# Altium PCB PCB_MotherBoard.PcbDoc (part 2 of 4)
Units mm, origin at the board's own origin, x right, y up, seen from the top; angles counter-clockwise.
Board outline 240 x 180 mm, 6 copper layers (Top Layer, Int1 (GND), Int2 (Sign), Int3 (Sign), Int4 (PWR), Bottom Layer), stack 1.481 mm thick; 214 components, 253 nets, 1237 pads, 870 vias.
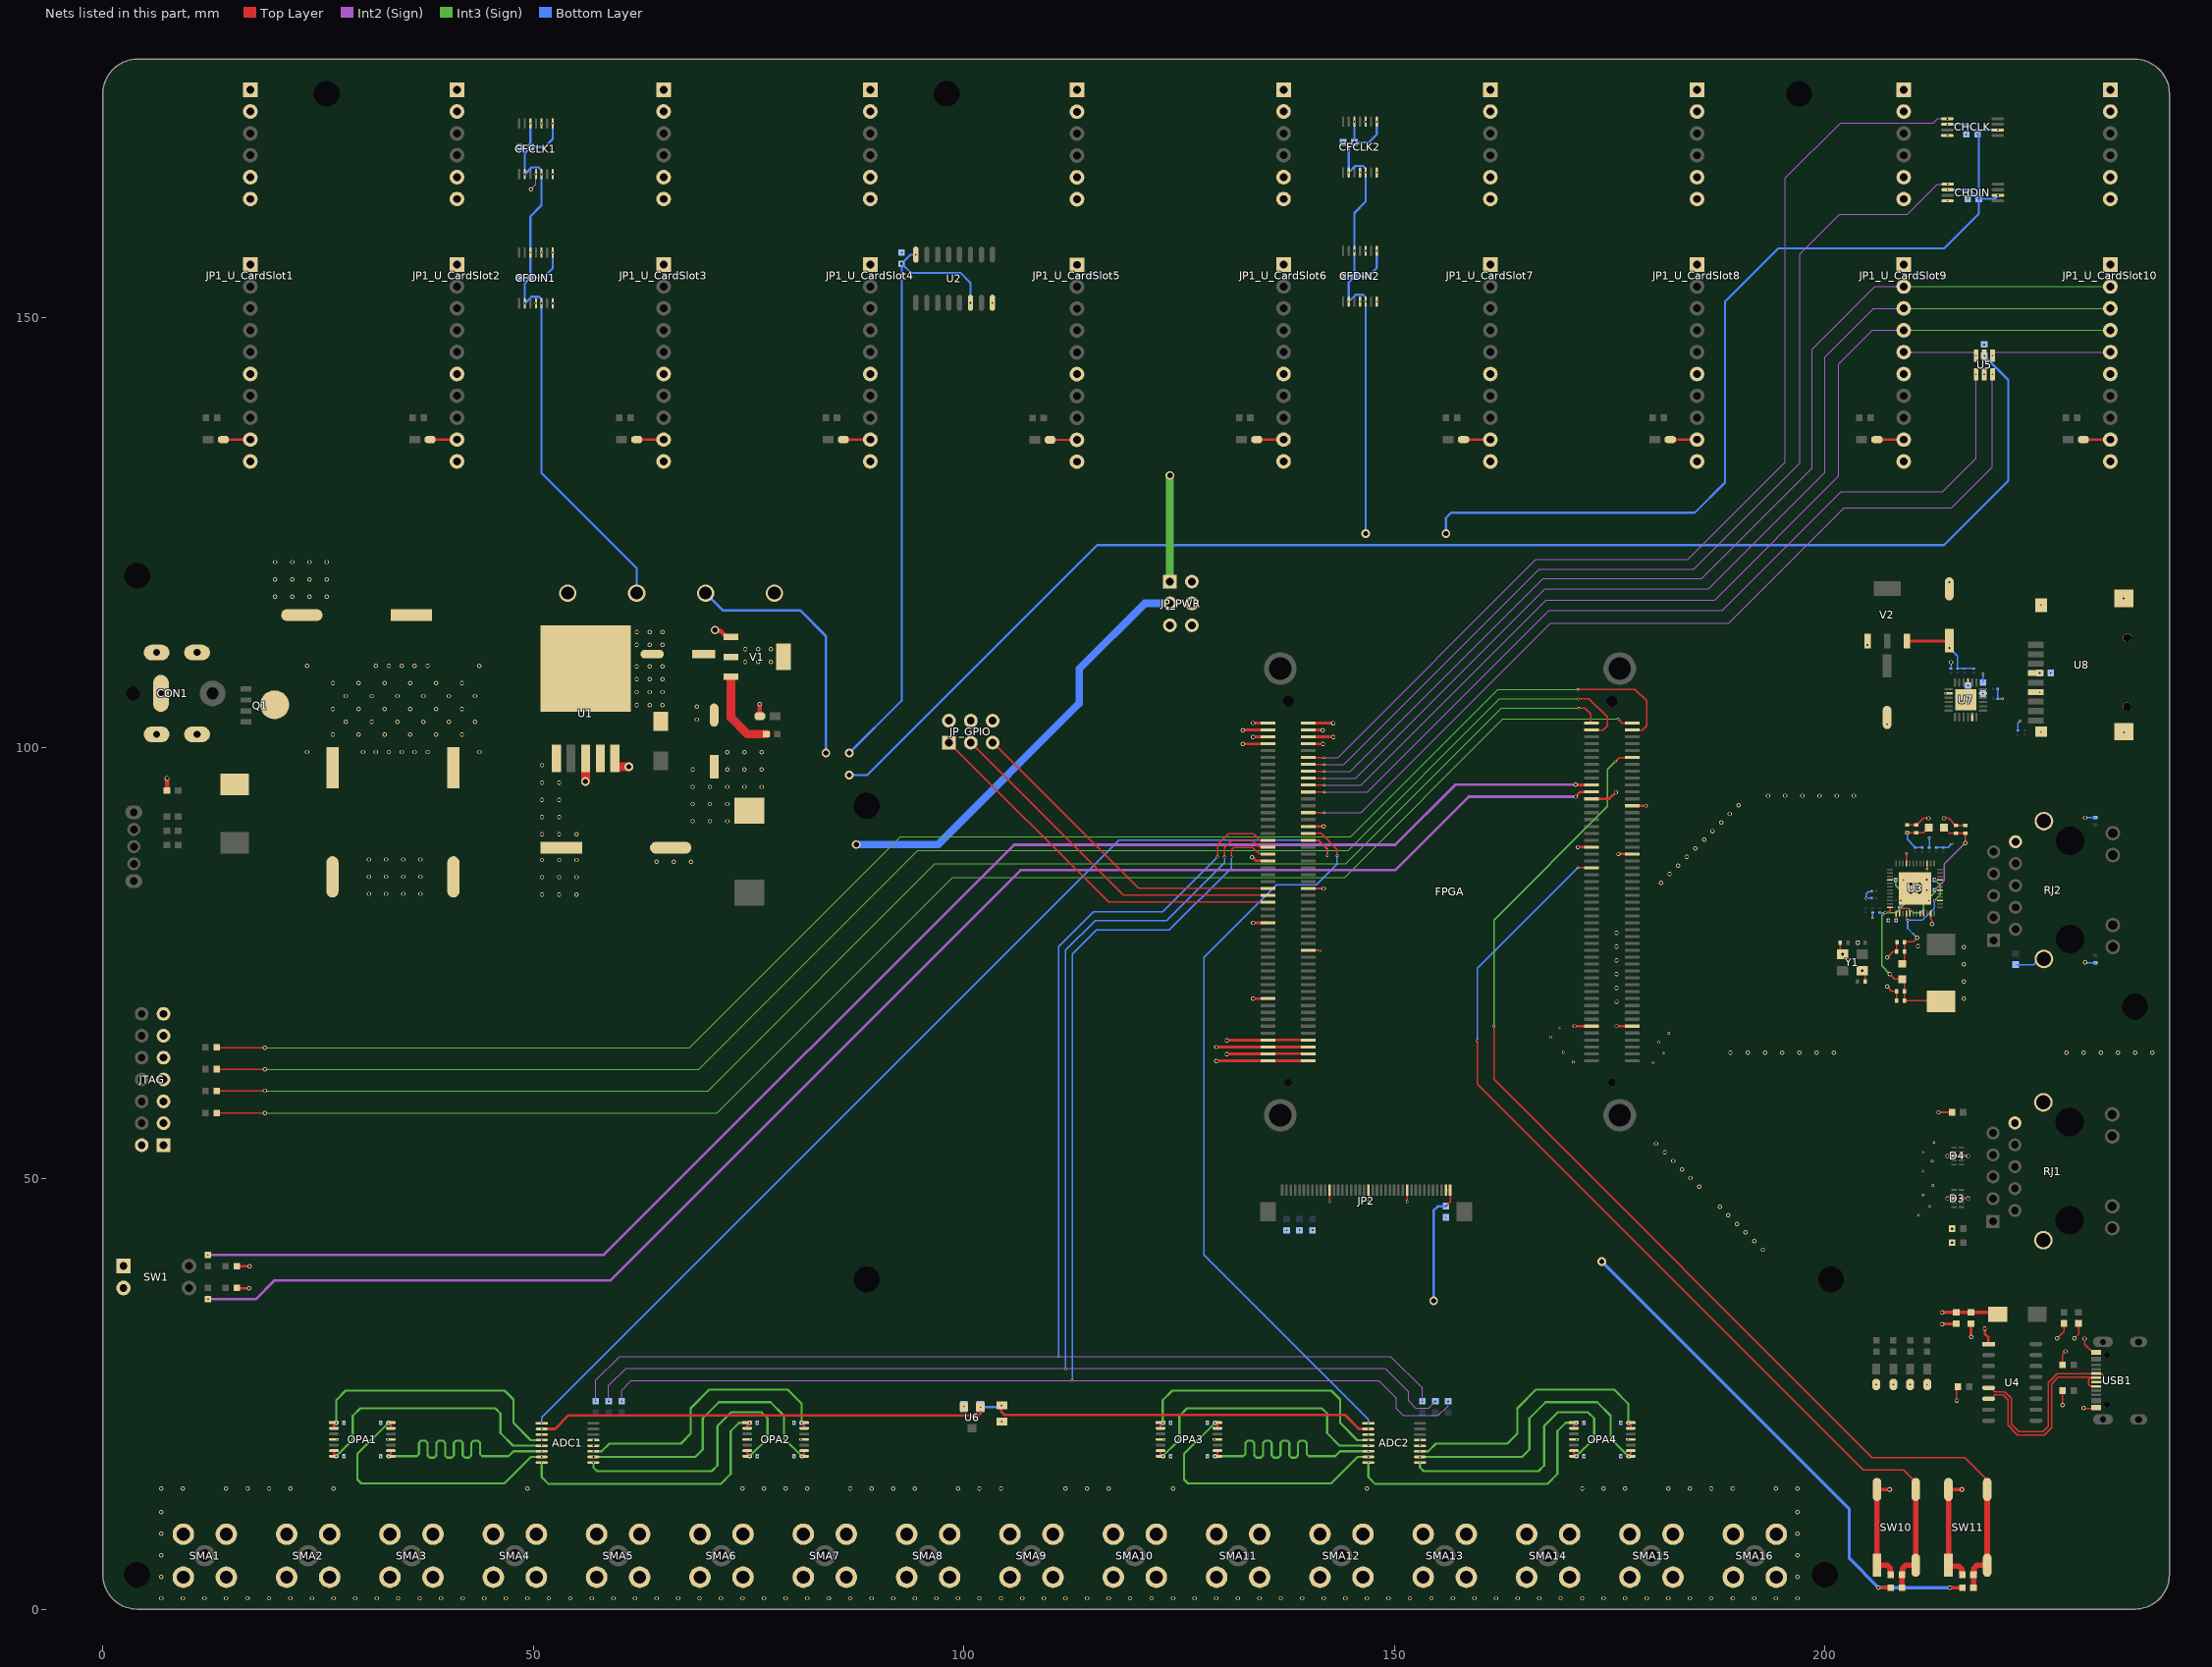
[diagram p6: the nets of this part, all layers, seen from the top]

## Part data
ADC1 ADC2: "TI 12-bit Oct-channel ADC  / C179666"
C1 C1HCLK C1HDIN C1LCLK C1LDIN C1LP C2LCLK C2LDIN C2LP C3LP C4LP C5LP C6LP C7LP C8LP C9 C9LP C10 C10LP C11 C11LP C12 C12LP C13 C13LP C14 C14LP C15 C15LP C16 C16LP C17 C18 C19 C20 C21 C22 C23 C24 C25 C26 C27 C28 C29 C30 C31 C33 C34 C35 C36 C37 C38 C39 C40 C41: library part C, "贴片电容", BOM名称=无极性贴片电容, 唯一出售店铺网址=https://shop463601444.taobao.com, 淘宝ID="封装库来自淘宝 ID：黄晶宝石", 联系售后，技术支持=https://shop463601444.taobao.com
C2 C3 C4 C6: library part CE_SMD, "贴片电解电容", BOM名称=贴片电解电容, 版权归属="封装库来自淘宝 ID：黄晶宝石", 联系售后=https://shop463601444.taobao.com
C5 C7 C8 C32: library part CE_SMD, "贴片电解电容 C4054381", BOM名称=贴片电解电容, 版权归属="封装库来自淘宝 ID：黄晶宝石", 联系售后=https://shop463601444.taobao.com
CFCLK1 CFCLK2 CFDIN1 CFDIN2: "1:6 Clock Fan-out Buffer"
CHCLK CHDIN: "1:3 Clock Fan-out Buffer"
CON1: library part DC-005P, "带屏蔽DC电源接口 / *LCID: C3001296", BOM名称=带屏蔽DC电源接口, 学习资源=https://shop463601444.taobao.com
D1: library part CMP-1693-00001-3, "Surface Mount Schottky Barrier Rectifier, 5 A, 0.55 V, -55 to 150 degC, 2-Pin SMD, RoHS, Tape and Reel / *LCID: C110488", Case/Package=SMC, Max Operating Temperature="125 degC", Min Operating Temperature="-55 degC", Package Quantity=3000, ComponentLink1Description="Manufacturer URL", ComponentLink1URL=http://www.diodes.com/, ComponentLink2Description=Datasheet, ComponentLink2URL=http://www.diodes.com/_files/datasheets/ds13012.pdf, DatasheetVersion="Rev. 16-2", Height="2.3 mm", Length="7.11 mm", Mount="Surface Mount", Mounting Technology="Surface Mount", PackageDescription="2-Pin Surface Mount Device, Body 5.905 x 6.855 mm", Packaging="Tape and Reel", PartNumber=B530C-13-F, Pins=2, Radiation Hardening=No, REACH SVHC="No SVHC", RoHSCompliant=True, Width="6.22 mm"
D2: library part SS14, "肖特基二极管", BOM名称=肖特基二极管, 封装库来自淘宝 ID：黄晶宝石=https://shop463601444.taobao.com, 属性=40V/1A
D3 D4: "Transient Voltage Suppression (TVS) Diode"
D5: "肖特基二极管", BOM名称=肖特基二极管, 封装库来自淘宝 ID：黄晶宝石=https://shop463601444.taobao.com, 属性=40V/1A
FPGA: "ZYNQ7010&7020 Core Board"
JP1_U_CardSlot1 JP1_U_CardSlot2 JP1_U_CardSlot3 JP1_U_CardSlot4 JP1_U_CardSlot5 JP1_U_CardSlot6 JP1_U_CardSlot7 JP1_U_CardSlot8 JP1_U_CardSlot9 JP1_U_CardSlot10: "DIY Board Connector (P/N)", System=Connector
JP2: "FPC Connector 0.5mm 40PIN"
JP_GPIO JP_PWR: library part "Header 3X2", "3*2P接插件", BOM名称=3*2P接插件, 学习资源=https://shop463601444.taobao.com, 版权归属="封装库来自淘宝 ID：黄晶宝石"
JTAG: library part "Header 7X2", "7*2P接插件", BOM名称=7*2P接插件, 学习资源=https://shop463601444.taobao.com, 版权归属="封装库来自淘宝 ID：黄晶宝石"
L1: "C280568 / (MHCC10040-330M-R7)", Inductance=22uH
L2: "*LCID: C967698", Inductance=4.7uH
L3 L4: library part L, "小功率贴片电感", BOM名称=小功率贴片电感, 封装库来自淘宝卖家 ID：黄晶宝石=其他店铺购入均为盗版，不享受售后技术支持服务，请立即申请退款, 淘宝ID="封装库来自淘宝 ID：黄晶宝石", 联系售后=https://shop463601444.taobao.com
LED0 LED0_U_CardSlot1 LED0_U_CardSlot2 LED0_U_CardSlot3 LED0_U_CardSlot4 LED0_U_CardSlot5 LED0_U_CardSlot6 LED0_U_CardSlot7 LED0_U_CardSlot8 LED0_U_CardSlot9 LED0_U_CardSlot10 PLED0 PLED1 PLED2 PLED3: library part LED-SMD, "贴片LED", BOM名称=贴片LED, 学习资源=https://shop463601444.taobao.com, 版权归属="封装库来自淘宝 ID：黄晶宝石"
OPA1 OPA2 OPA3 OPA4: library part OPA4197IPWR, "Quad-channel Operational Amplifier"
Q1: library part CMP-2000-07061-2, "MOSFET P-CH 30V 60A PPAK SO-8 / *LCID: C725172", Continuous Drain Current=-36.5A, Drain To Source Breakdown Voltage=-30V, Drain To Source Resistance=0.0021Ω, Gate To Source Voltage=20V, Input Capacitace At Vds="15660pF @ -15V", Manufacturer=Vishay, Max Forward Diode Voltage=-1.1V, Max Junction Temp=+150°C, Package=S17-0173-SINGLE, Power Dissipation=6.25W, Pulse Drain Current=-100A, Temperature="-55°C to +150°C", Temperature Range Low=-55°C, Typ Forward Diode Voltage=-0.69V, Automotive=No, Category=Trans, ComponentLink2Description=Datasheet, ComponentLink2URL=http://www.vishay.com/docs/64814/si7145dp.pdf, Depletion Mode=False, Device Class L1="Discrete Semiconductors", Device Class L2=Transistors, Device Class L3=MOSFETs, Digikey Description="MOSFET P-CH 30V 60A PPAK SO-8", Drain To Source Voltage=-30V, Gate Charge At Vgs="275nC @ -10V", Height=1.17mm, Lead Free=Yes, Manufacturer Part Number=SI7145DP-T1-GE3, Mouser Description="Single P-Channel 30 V 2.6 mOhms Surface Mount Power Mosfet - PowerPAK SO-8", Number Of Channels=1, Number Of P Channels=1, Octopart=https://octopart.com/si7145dp-t1-ge3-vishay-42623172, Reverse Recovery Charge=44nC, Reverse Recovery Time=42ns, RoHS=TRUE, Rthja Max=15°C/W, Standoff Height=0mm, Temperature Range High=+150°C, Threshold Vgs Max=-2.3V, Threshold Vgs Min=-1V, Transconductance=110S, Turn Off Delay Time=130ns, Turn On Delay Time=27ns
R0 R0_U_CardSlot1 R0_U_CardSlot2 R0_U_CardSlot3 R0_U_CardSlot4 R0_U_CardSlot5 R0_U_CardSlot6 R0_U_CardSlot7 R0_U_CardSlot8 R0_U_CardSlot9 R0_U_CardSlot10 R1 R2 R3 R4 R5 R6 R7 R8 R9 R10 R11 R12 R13 R14 R15 R16 R17 R18 R19 R20 R21 R22 R23 R24 R25 R26 R27 R29 R30 R31 R32 R33 R34 R35 R36 R37 R38 R39 R40 R41 R42 R43 R44 R45 R46 R47 R48 R49 R50 R51 R52: library part R, "贴片电阻", BOM名称=贴片电阻, 封装库来自淘宝卖家 ID：黄晶宝石=其他店铺购入均为盗版，不享受售后技术支持服务，请立即申请退款, 版权归属="来自淘宝 ID：黄晶宝石", 联系售后=https://shop463601444.taobao.com
R28: library part R, "贴片电阻  / *LCID: C2907295", BOM名称=贴片电阻, 封装库来自淘宝卖家 ID：黄晶宝石=其他店铺购入均为盗版，不享受售后技术支持服务，请立即申请退款, 版权归属="来自淘宝 ID：黄晶宝石", 联系售后=https://shop463601444.taobao.com
RJ1 RJ2: library part RJ45-2LED, "带灯以太网接口", BOM名称=带灯以太网接口, 学习资源=https://shop463601444.taobao.com, 版权归属="封装库来自淘宝 ID：黄晶宝石"
S1: library part SSW-1P, "1路波动开关 / *LCID: C480340", BOM名称=波动开关, 学习资源=https://shop463601444.taobao.com, 版权归属="封装库来自淘宝 ID：黄晶宝石"
SMA1 SMA2 SMA3 SMA4 SMA5 SMA6 SMA7 SMA8 SMA9 SMA10 SMA11 SMA12 SMA13 SMA14 SMA15 SMA16: "SMA-2.4G射频天线接口", BOM名称=SMA-2.4G射频天线接口, 学习资源=https://shop463601444.taobao.com, 版权归属="封装库来自淘宝 ID：黄晶宝石"
SW1: "2路编码开关 / *LCID: C976324", BOM名称=2路编码开关, 学习资源=https://shop463601444.taobao.com, 淘宝ID=黄晶宝石
SW10 SW11: library part "TSW SMD-6x6", "贴片6x6轻触开关  / C3010208", BOM名称=贴片6x6轻触开关, 唯一出售店铺网址=https://shop463601444.taobao.com, 版权归属="封装库来自淘宝 ID：黄晶宝石"
U1: "5V稳压芯片", ComponentLink1Description="Manufacturer Link", ComponentLink1URL=http://www.national.com/, ComponentLink2Description=Datasheet, ComponentLink2URL=http://www.national.com/ds.cgi/LM/LM2596.pdf, ComponentLink3Description="URL Link1", ComponentLink3URL=http://www.national.com/pf/LM/LM2596.html, DatasheetVersion=Dec-1997, Note="Tab is connected to GND", PackageDescription="D2-PAK; 5 Leads; Body 14.4 (inc. leads) x 10.4 mm (LxW max)", PackageReference=TS5B, Published=15-Apr-2002, Publisher="Altium Limited"
U2: "3-to-8 Decoder"
U3: "Ethernet RGMII PHY Chip / *LCID: C90735"
U4: library part CH340G, "串口转USB", BOM名称=串口转USB, 学习资源=https://shop463601444.taobao.com, 版权归属="封装库来自淘宝 ID：黄晶宝石"
U5: "1-to-2 Decoder ActiveLow C58923"
U6: library part LM4040, "Shunt Voltage Reference 4.096V"
U8: "Micro SD卡", BOM名称="Micro SD卡", 学习资源=www.ooocke.com, 版权归属=源创客
V1 V2: library part AMS1117, "三端稳压芯片", BOM名称=稳压芯片, 欢迎光临淘宝店铺=https://shop463601444.taobao.com, 淘宝ID="封装库来自淘宝 ID：黄晶宝石"
Y1: library part XTAL-4P, "4脚无源晶振", BOM名称=4脚晶振, 学习资源=www.ooocke.com, 版权归属=源创客

## Free pads (board coordinates)
  round 0 hole 3: 0(4,4) 0(4,120) 0(26,176) 0(98,176) 0(236,70) 1(200,4) 2(88.7,38.3) 2(88.7,93.3) 2(200.7,38.3) 3(197,176)

## Via types
v1: diameter 0.3, hole 0.2, Top Layer to Bottom Layer, tented both sides, 435 vias
v2: diameter 0.5, hole 0.3, Top Layer to Bottom Layer, tented both sides, 268 vias
v3: diameter 0.5, hole 0.3, Top Layer to Bottom Layer, 118 vias
v4: diameter 0.35, hole 0.2, Top Layer to Bottom Layer, tented both sides, 16 vias
v5: diameter 1, hole 0.6, Top Layer to Bottom Layer, tented both sides, 12 vias
v6: diameter 0.45, hole 0.3, Top Layer to Bottom Layer, tented both sides, 12 vias
v7: diameter 0.61, hole 0.305, Top Layer to Bottom Layer, tented both sides, 4 vias
v8: diameter 2, hole 1.5, Top Layer to Bottom Layer, 4 vias
v9: diameter 0.6, hole 0.4, Top Layer to Bottom Layer, tented both sides, 1 vias

## Nets (pads, with @x,y where several pads share a name; then routed paths per layer and width w, separated by ;. In a path a pad name is that pad's centre, name@x,y a point inside that pad or via, vN(x,y) a via of type N, cw(c..) or ccw(c..) an arc to the next point about the centre after c; other vN are vias at no path point)
1V0: C17.2 C18.2 C19.2 L2.2 L4.1 R25.2 U3.28 U3.36 | length 24.8
  Top Layer w0.156: v1(206.985,80.899) 207.012,80.926 207.368,80.926 207.56,81.119 U3.36@207.56,81.5 ; v2(207.543,73.736) 208.119,73.161 L4.1@208.989,73.161
  Top Layer w0.18: U3.28@207.56,84.7 207.568,84.692 208.221,84.692 v1(208.229,84.684) ; L4.1@208.978,73.15 L4.1@208.989,73.161 209.225,72.925 C17.2@209.225,71.75 C19.2@209.225,70.65 213.407,70.65 L2.2@213.46,70.596
  Int3 (Sign) w0.156: v2(207.543,73.736) 207.543,73.762 206.604,74.701 206.604,80.518 v1(206.985,80.899) 208.28,80.899 209.536,82.155 209.536,82.731 208.229,84.038 v1(208.229,84.684)
  Bottom Layer w0.156: R25.2@206.35,80.899 v1(206.985,80.899)
1V0A: C20.2 C21.2 C22.2 L4.2 U3.3 U3.9 U3.40 | length 16.6
  Top Layer w0.18: L4.2@208.894,74.844 L4.2@208.989,74.939 209.239,75.189 C22.2@209.239,76.35 209.244,76.355 209.244,77.444 C21.2@209.25,77.45 ; C21.2@209.244,77.494 210.269,77.494 v2(210.725,77.95) ; U3.40@209.467,80.792 209.467,80.19 209.6,80.058 v1(209.6,80.025) ; v1(212.725,82.296) v1(212.725,82.296) 213.373,82.298 U3.3@213.375,82.3 ; v1(212.725,84.709) 212.73,84.704 213.37,84.704 U3.9@213.375,84.7
  Int3 (Sign) w0.18: v1(212.725,82.296) 213.411,82.982 213.411,84.023 v1(212.725,84.709)
  Bottom Layer w0.18: v2(210.725,77.95) 209.6,79.075 v1(209.6,80.025) 211.318,80.025 212.725,81.432 v1(212.725,82.296)
3V3: C1HCLK.2 C1HDIN.2 C1LCLK.2 C1LDIN.2 C2LCLK.2 C2LDIN.2 C5.1 C8.1 C10.2 C11.2 C12.2 C33.2 C34.2 C35.2 CFCLK1.2 CFCLK1.5 CFCLK1.8 CFCLK1.12 CFCLK2.2 CFCLK2.5 CFCLK2.8 CFCLK2.12 CFDIN1.2 CFDIN1.5 CFDIN1.8 CFDIN1.12 CFDIN2.2 CFDIN2.5 CFDIN2.8 CFDIN2.12 CHCLK.2 CHCLK.6 CHDIN.2 CHDIN.6 JP_PWR.5 JTAG.2 L3.1 R8.2 R9.2 R12.2 R13.2 R15.2 R16.2 R17.1 R19.1 R21.1 R23.1 R24.1 R26.1 R37.2 R38.2 R40.2 R41.2 R42.2 R43.2 R44.2 R45.2 R51.2 R52.2 U3.15 U3.21 U3.37 U7.17 U7.21 U8.4 V1.2 V2.3 | length 346.8
  Top Layer w0.156: U3.21@209.467,86.607 209.471,86.611 209.471,87.779 v1(209.474,87.782) ; v1(209.55,90.145) 209.557,90.152 C12.2@210.617,90.152 211.437,90.152 L3.1@212.039,90.754 ; v1(211.861,85.954) 211.864,85.957 211.864,86.604 U3.15@211.868,86.607
  Top Layer w0.18: R9.2@15.56,37.3 R9.2@15.61,37.25 ; R8.2@15.56,39.84 R8.2@15.575,39.825 ; v1(208.255,79.985) 208.261,79.991 208.261,80.786 U3.37@208.268,80.792
  Top Layer w0.254: v2(213.2,57.7) R13.2@214.75,57.7
  Top Layer w0.305: R8.2@15.575,39.825 v2(17.05,39.825) ; R9.2@15.61,37.25 v2(17,37.25) ; V2.3@209.541,112.436 214.393,112.436 C5.1@214.441,112.484
  Top Layer w0.381: v2(206.2,2.5) R51.2@207.65,2.5 ; v2(214.5,2.5) R52.2@215.95,2.5
  Bottom Layer w0.156: v1(209.55,90.145) 209.55,89.404 210.418,88.536 210.418,88.511 210.465,88.464 R26.1@210.49,88.464 R24.1@211.302,88.464 ; R23.1@212.928,88.464 R21.1@213.741,88.464 214.296,88.464 v1@214.732,88.9 ; v1(214.452,111.633) 215.4,110.685 R42.2@215.4,109.25 R41.2@216.2,109.25 R40.2@217.25,109.25 ; R44.2@220.058,106.883 R43.2@220.058,105.715 v1(220.624,105.715) ; R45.2@222.4,102.05 222.4,102.862 222.656,103.118 v1(222.656,103.149)
  Bottom Layer w0.18: R19.1@205.424,82.598 205.4,82.573 204.823,82.573 v1(204.8,82.55) 204.777,82.573 204.777,82.787 204.775,82.79 204.775,83.033 205.08,83.337 205.389,83.337 205.424,83.373 R17.1@205.424,83.398 ; v2(230.225,75.1) 230.25,75.075 231.375,75.075 R15.2@231.4,75.05 ; v2(230.225,91.9) 230.25,91.925 231.375,91.925 R16.2@231.4,91.95
  Bottom Layer w0.254: v1(49.649,172.55) 49.649,170.025 49.653,170.021 49.653,169.847 v2(49.7,169.8) ; 52.249,155.726 v1(52.249,157.55) ; v1(52.249,172.55) 52.249,170.749 51.3,169.8 v2(49.7,169.8) ; 52.25,155.725 51.174,154.649 v2(49.649,154.649) ; v8(62,118) 62,120.9 50.949,131.951 v1(50.949,151.65) 50.949,152.121 50.645,152.425 49.774,152.425 v1(48.999,151.65) 48.999,153.999 v2(49.649,154.649) ; v1(145.349,172.75) v2(145.349,170.349) ; v5(146.65,124.925) 146.65,151.85 146.649,152.351 146.35,152.65 145.499,152.65 v1(144.699,151.85) 144.699,154.099 v1(145.349,154.749) ; v1(147.949,157.75) 147.949,155.749 146.949,154.749 v1(145.349,154.749) ; v1(147.949,172.75) 147.949,171.274 147.024,170.349 v2(145.349,170.349) ; v5(155.975,124.9) 155.975,126.725 156.575,127.325 184.875,127.325 188.4,130.85 188.4,151.85 194.575,158.025 213.85,158.025 217.875,162.05 v1(217.875,163.8) ; v2@213.2,57.633 v2(213.2,57.7) ; v1(214.213,172.444) 216.556,172.444 v1(217.725,171.275) ; v1(214.238,164.844) 216.831,164.844 v1(217.875,163.8) ; v1(220.092,164.194) 219.698,163.8 v1(217.875,163.8) ; v1(220.1,171.8) 218.25,171.8 v1(217.725,171.275) ; v2(49.649,154.649) v1(49.649,157.55) 49.649,161.749 50.949,163.049 v1(50.949,166.65) 50.949,167.121 50.62,167.45 49.799,167.45 v1(48.999,166.65) 48.999,169.099 v2(49.7,169.8) ; v1(145.349,154.749) v1(145.349,157.75) 145.349,162.149 146.649,163.449 v1(146.649,166.85) 146.649,167.321 146.345,167.625 145.474,167.625 144.7,166.851 144.7,169.7 v2(145.349,170.349) ; v1(217.725,171.275) 217.875,171.125 v1(217.875,163.8)
  Bottom Layer w0.381: v5(174.075,40.375) 202.825,11.625 202.825,5.875 v2(206.2,2.5) v2(214.5,2.5)
  other v1: 139,44 140.5,44 214.732,88.925 218.364,106.332 216.611,107.254 224.927,108.712 146.649,151.85 144.699,166.85
  other v2: 214.775,42.575 74.6,110 76.1,110 77.6,110 74.6,111.5 76.1,111.5 77.6,111.5
3V3A: C13.2 C14.2 C15.2 L3.2 U3.6 U3.38 U3.41 U3.44 U3.45 | length 19.5
  Top Layer w0.18: U3.38@208.667,80.792 208.678,80.803 208.678,81.178 208.867,81.367 209.7,81.367 209.842,81.225 v1(209.875,81.225) 209.871,81.221 209.871,80.796 U3.41@209.868,80.792 ; U3.44@211.067,80.792 U3.45@211.467,80.792 211.461,80.799 211.461,81.198 v1(211.455,81.204) ; v1(212.725,83.49) 212.73,83.495 213.37,83.495 U3.6@213.375,83.5 ; L3.2@213.817,90.754 214.441,90.13 C13.2@215.222,90.13 215.228,90.125 216.317,90.125 C15.2@216.322,90.119 216.314,90.112 216.314,88.984 v2(216.306,88.976)
  Int2 (Sign) w0.18: v1(212.725,83.49) 213.868,84.633 213.868,86.563 216.281,88.976 v2(216.306,88.976)
  Int3 (Sign) w0.18: v1(209.875,81.225) 210.226,80.874 211.125,80.874 v1(211.455,81.204) 211.455,82.359 211.95,82.855 212.369,82.855 212.725,83.21 v1(212.725,83.49)
4V1A: ADC1.2 ADC2.2 C24.1 R28.2 U6.1 | length 99.5
  Top Layer w0.305: v1(50.971,20.925) 52.525,20.925 54.1,22.5 101.7,22.5 101.9,22.7 U6.1@101.9,23.5 ; v1(101.925,23.475) U6.1@102.125,23.675 ; R28.2@104.4,23.675 v1(104.35,23.625) 104.35,22.925 104.725,22.55 144.25,22.55 145.875,20.925 v1(146.971,20.925)
  Bottom Layer w0.305: v1(101.925,23.475) 104.2,23.475 v1(104.35,23.625)
5V: ADC1.13 ADC2.13 C7.1 C28.2 C29.2 C37.2 C40.2 C41.2 D5.1 FPGA.J1_1 FPGA.J1_2 FPGA.J1_3 FPGA.J1_4 FPGA.J1_5 FPGA.J1_6 FPGA.J1_7 FPGA.J1_8 JP2.39 JP2.40 JP_PWR.3 L1.2 OPA1.4 OPA2.4 OPA3.4 OPA4.4 R0.1 R28.1 U1.4 U2.6 U2.16 U5.5 V1.3 | length 388.3
  Top Layer w0.156: v1(155.975,46.8) 156.475,47.3 JP2.40@156.475,48.65 JP2.39@155.975,48.65
  Top Layer w0.305: v2(129.325,63.65) 129.353,63.678 135.293,63.678 FPGA.J1_1@135.303,63.688 ; v2(129.325,65.275) 129.338,65.288 FPGA.J1_5@135.303,65.288 ; v2(130.525,64.45) 130.552,64.477 135.293,64.477 FPGA.J1_3@135.316,64.5 FPGA.J1_4@140.016,64.5 ; v2(130.525,66.05) 130.552,66.077 135.293,66.077 FPGA.J1_7@135.316,66.1 135.328,66.087 140.003,66.087 FPGA.J1_8@140.016,66.1 ; FPGA.J1_1@135.316,63.7 FPGA.J1_1@135.303,63.688 ; FPGA.J1_5@135.316,65.3 FPGA.J1_5@135.303,65.288 ; FPGA.J1_2@140.016,63.7 140.003,63.688 FPGA.J1_1@135.303,63.688 ; FPGA.J1_6@140.016,65.3 140.003,65.288 FPGA.J1_5@135.303,65.288
  Top Layer w0.381: v2(213.6,34.45) 213.605,34.455 C28.2@215.251,34.455 C29.2@216.951,34.455 219.851,34.455 D5.1@220.051,34.255
  Top Layer w1.016: V1.3@72.949,108.1 72.949,103.551 74.875,101.625 R0.1@77.05,101.625
  Bottom Layer w0.254: v5(86.7,96.875) 88.775,96.875 115.475,123.575 213.825,123.575 221.3,131.05 221.3,142.75 C41.2@218.5,145.55 ; v5(86.7,99.425) 92.775,105.5 92.775,155.725 v2(92.775,156.275) ; v1(94.42,157.3) 93.8,157.3 v2(92.775,156.275) ; v1(100.77,151.712) 100.77,154.03 99.6,155.2 93.85,155.2 v2(92.775,156.275)
  Bottom Layer w0.305: v8(70,118) 72,116 81,116 83.975,113.025 v5(83.975,99.425) ; v5(154.55,35.8) 154.55,46.3 155.025,46.775 155.95,46.775 v1(155.975,46.8)
  Bottom Layer w0.889: v5(87.5,88.8) 97,88.8 113.4,105.2 113.4,109.2 121,116.8 JP_PWR.3@123.93,116.8
  other v1: 56.971,19.625 152.971,19.625 27.2,19.7 75.2,19.7 123.2,19.7 171.175,19.7 104.4,21.775 218.525,145.55
  other v2: 68.5,91.5 70.5,91.5 72.5,91.5 68.5,93.5 70.5,93.5 72.5,93.5 68.5,95.5 70.5,95.5 72.5,95.5 74.5,95.5 76.5,95.5 68.5,97.5 72.5,97.5 74.5,97.5 76.5,97.5 72.5,99.5 74.5,99.5 76.5,99.5
24V: C2.1 C3.1 C4.1 C6.1 D1.1 JP1_U_CardSlot1.1 JP1_U_CardSlot1.6 JP1_U_CardSlot1.16 JP1_U_CardSlot2.1 JP1_U_CardSlot2.6 JP1_U_CardSlot2.16 JP1_U_CardSlot3.1 JP1_U_CardSlot3.6 JP1_U_CardSlot3.16 JP1_U_CardSlot4.1 JP1_U_CardSlot4.6 JP1_U_CardSlot4.16 JP1_U_CardSlot5.1 JP1_U_CardSlot5.6 JP1_U_CardSlot5.16 JP1_U_CardSlot6.1 JP1_U_CardSlot6.6 JP1_U_CardSlot6.16 JP1_U_CardSlot7.1 JP1_U_CardSlot7.6 JP1_U_CardSlot7.16 JP1_U_CardSlot8.1 JP1_U_CardSlot8.6 JP1_U_CardSlot8.16 JP1_U_CardSlot9.1 JP1_U_CardSlot9.6 JP1_U_CardSlot9.16 JP1_U_CardSlot10.1 JP1_U_CardSlot10.6 JP1_U_CardSlot10.16 JP_PWR.1 Q1.5-6-7-8 U1.1 | length 12.3
  Int3 (Sign) w0.889: JP_PWR.1@123.93,119.34 v5(123.93,131.67)
  other v2: 51,83 53,83 55,83 51,85 53,85 55,85 51,87 53,87 55,87 51,90 53,90 55,90 51,92 53,92 51,94 53,94 51,96 53,96 51,98 23.712,99.546 30.212,99.546 31.712,99.546 33.212,99.546 34.712,99.546 36.212,99.546 37.712,99.546 43.712,99.546 26.712,101.546 29.712,101.546 32.712,101.546 35.712,101.546 38.712,101.546 41.712,101.546 28.212,103.046 31.212,103.046 34.212,103.046 37.212,103.046 40.212,103.046 43.212,103.046 26.712,104.546 29.712,104.546 32.712,104.546 35.712,104.546 38.712,104.546 41.712,104.546 28.212,106.046 31.212,106.046 34.212,106.046 37.212,106.046 40.212,106.046 43.212,106.046 26.712,107.546 29.712,107.546 32.712,107.546 35.712,107.546 38.712,107.546 41.712,107.546 23.712,109.546 31.712,109.546 33.212,109.546 34.712,109.546 36.212,109.546 37.712,109.546 43.712,109.546